# Altium PCB HYDRA_V4_POWER.PcbDoc (part 2 of 2)
Units mm, origin at the board's own origin, x right, y up, seen from the top; angles counter-clockwise.
Board outline 50.15 x 44.15 mm, 4 copper layers (Top Layer, GND+SIG, PWR+SIG, Bottom Layer), stack 1.586 mm thick; 220 components, 163 nets, 791 pads, 264 vias.
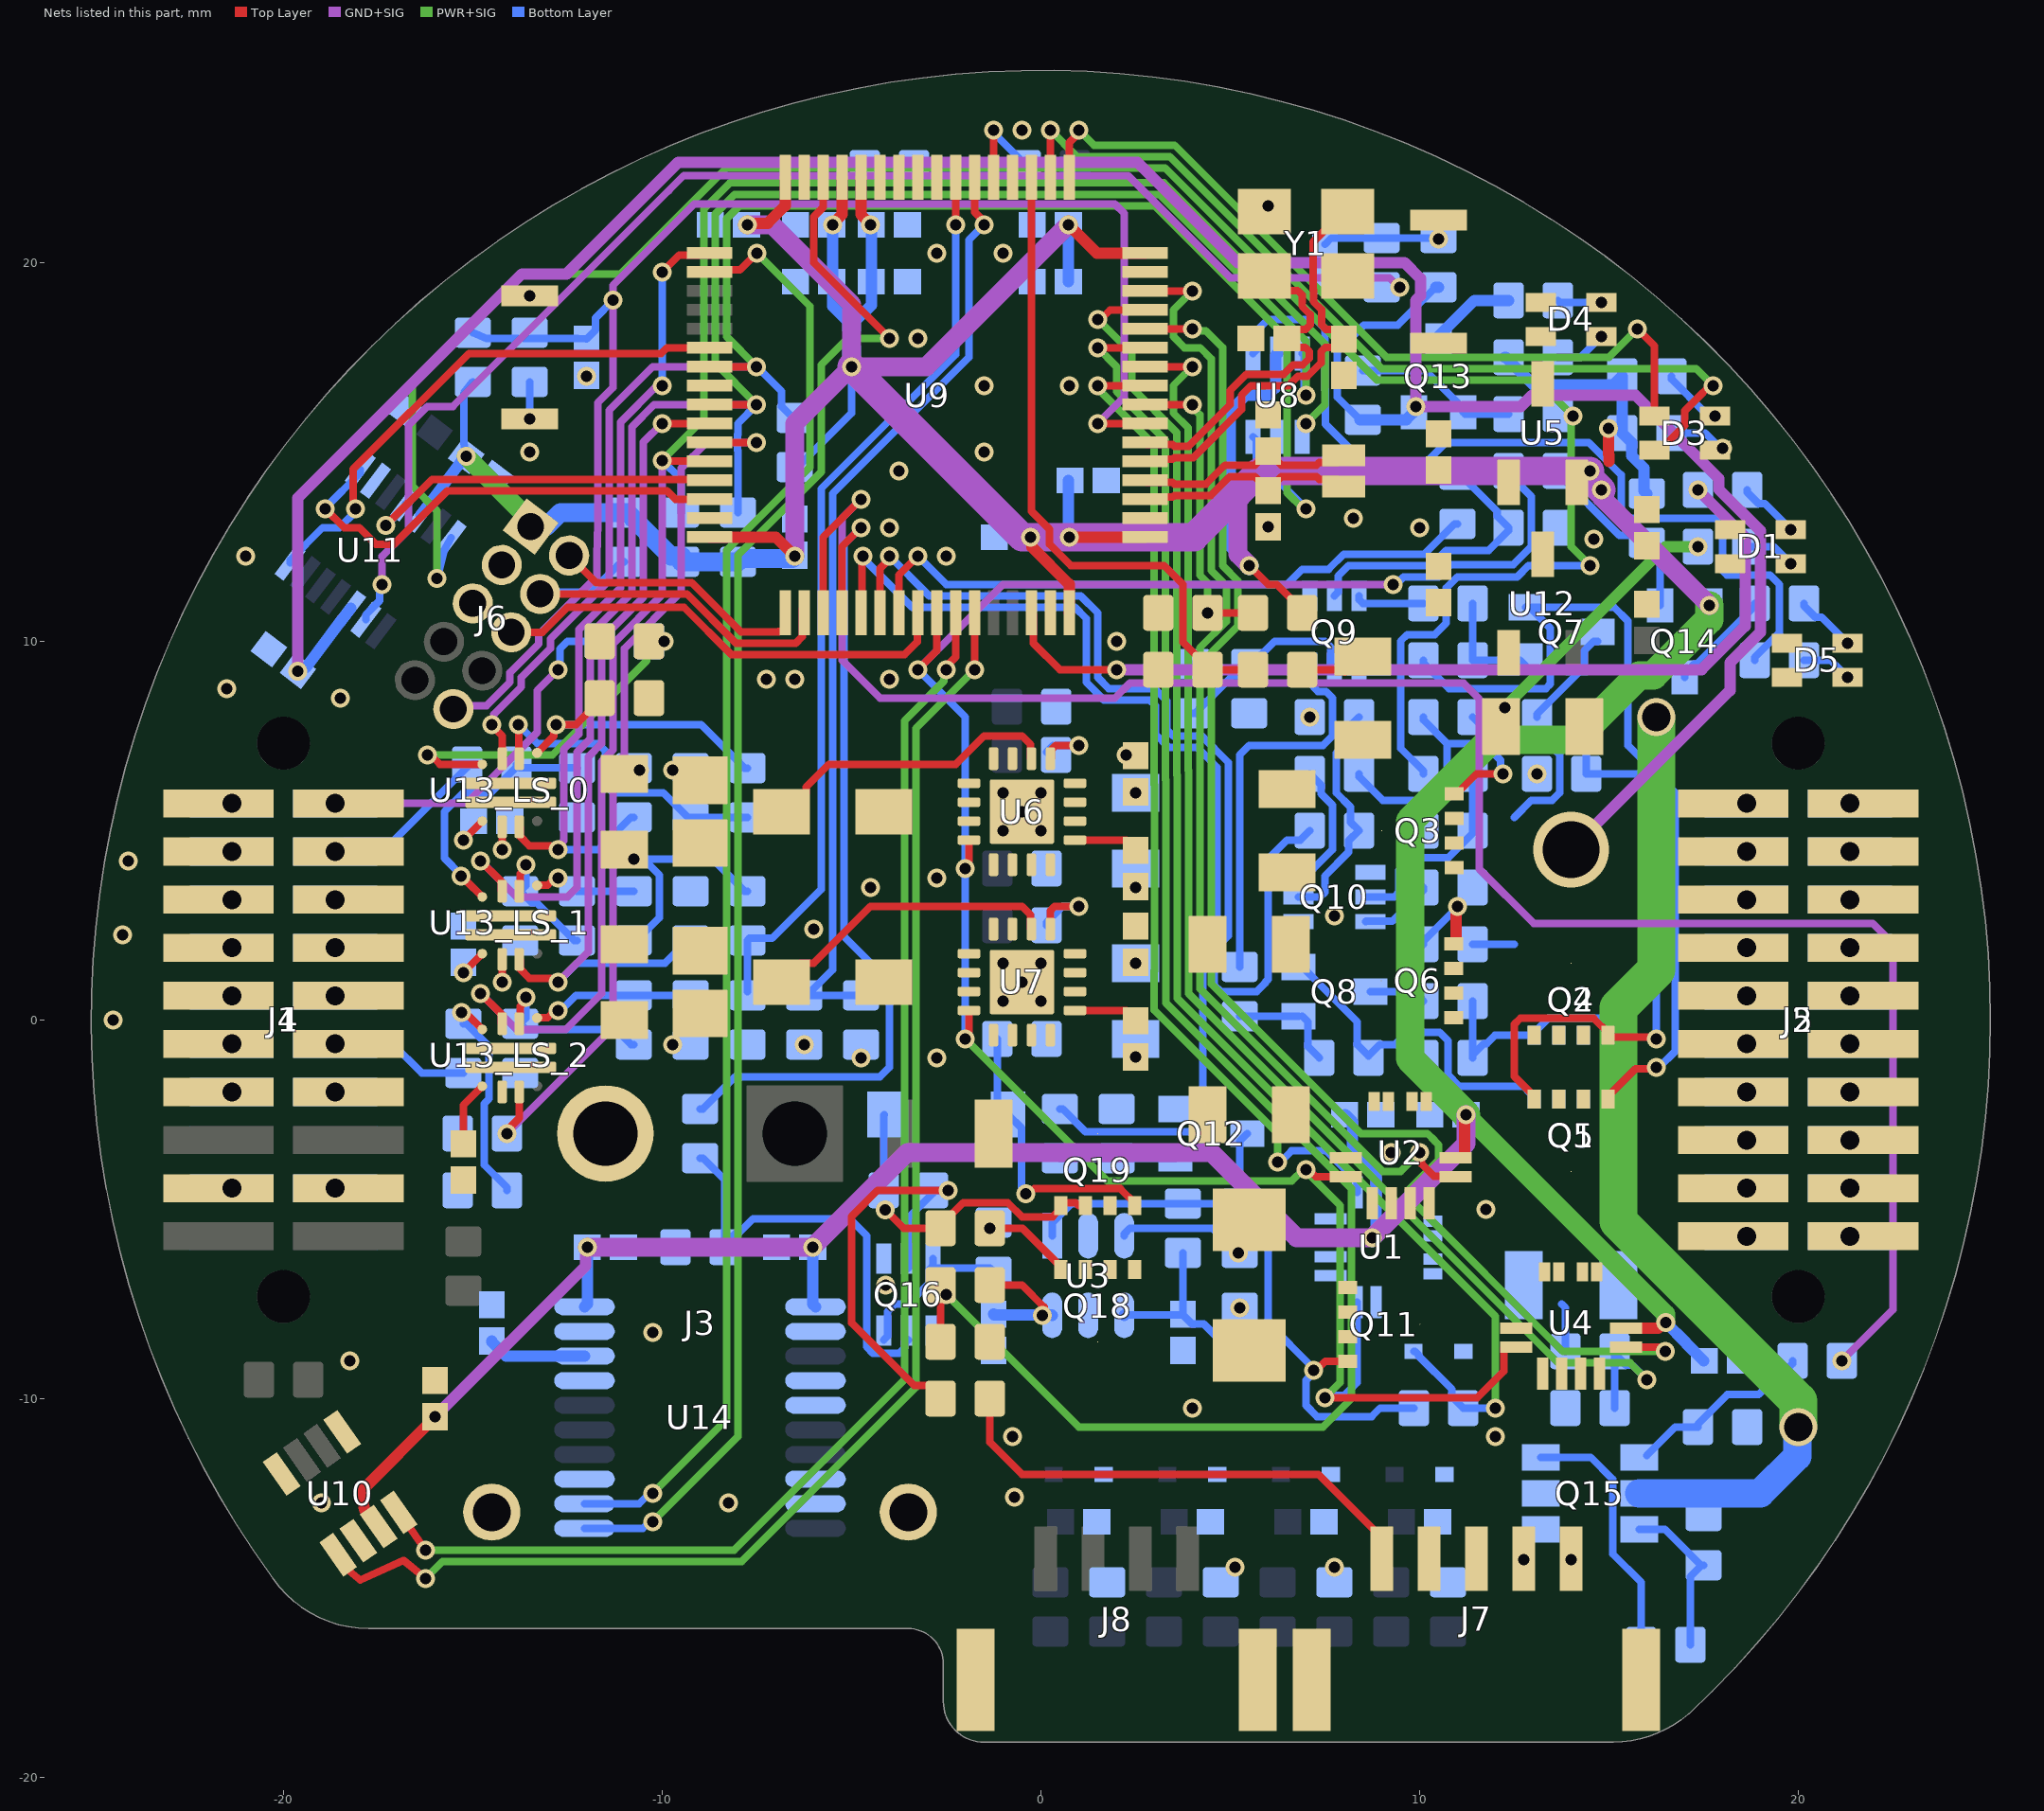
[diagram p4: the nets of this part, all layers, seen from the top]

## Via types
v1: diameter 0.5, hole 0.3, Top Layer to Bottom Layer, tented both sides, 221 vias
v2: diameter 0.7, hole 0.5, Top Layer to Bottom Layer, tented both sides, 40 vias
v3: diameter 1, hole 0.75, Top Layer to Bottom Layer, tented both sides, 2 vias
v4: diameter 2, hole 1.5, Top Layer to Bottom Layer, tented both sides, 1 vias

## Nets (pads, with @x,y where several pads share a name; then routed paths per layer and width w, separated by ;. In a path a pad name is that pad's centre, name@x,y a point inside that pad or via, vN(x,y) a via of type N, cw(c..) or ccw(c..) an arc to the next point about the centre after c; other vN are vias at no path point) (continued)
CUR_TRIP_RST: R33.2 U9.53 | length 28.4
  Top Layer w0.2: U9.53@-4.75,10.75 -4.724,10.776 -4.724,12.224 v1(-4.698,12.25)
  Bottom Layer w0.2: v1(-4.698,12.25) -4.698,12.198 -3.397,10.897 0.902,10.897 1.198,10.6 1.198,8.918 1.668,8.448 2.873,8.448 3.022,8.3 3.022,7.55 3.375,7.197 4.127,7.197 4.647,6.677 4.647,2.347 4.272,1.972 4.272,-2.811 4.131,-2.952 1.177,-2.952 0.575,-2.35 R33.2@0.5,-2.35
CUTOFF_MOSFET: Q11.4 Q12.3 R23.2 R25.2 R30.1 U3.1 | length 17.8
  Top Layer w0.2: v1(7.198,-9.25) 7.28,-9.25 7.517,-9.012 Q11.4@8.1,-9.012
  Bottom Layer w0.2: U3.1@0.3,-5.7 0.3,-5.362 0.812,-4.85 R30.1@3.75,-4.85 R25.2@5.25,-4.85 ; Q12.3@5.45,-3 5.25,-3.2 R25.2@5.25,-4.85 ; v1(7.198,-9.25) 7.198,-9.198 6,-8 6,-5.525 5.325,-4.85 R25.2@5.25,-4.85 ; v1@7.25,-9.25 7.25,-9.267 7,-9.517 7,-10.182 7.293,-10.475 8.734,-10.475 8.959,-10.25 R23.2@9.85,-10.25
EMAG_OUT: J7.4 J7.5 Q15.4
  other v1: 12.75,-14.25 14,-14.25
FORCE_ON: R56.2 U9.52 | length 22.8
  Top Layer w0.2: U9.52@-5.25,10.75 -5.25,12.5 v1(-4.75,13)
  Bottom Layer w0.2: R56.2@-9,-2.35 -8.925,-2.35 -8.075,-1.5 -4.25,-1.5 -4,-1.25 -4,1.002 -5.198,2.2 -5.198,12.552 v1(-4.75,13)
GND: C1.2 C2.2 C3.2 C4.2 C5.2 C6.2 C7.2 C8.2 C9.2 C10.2 C11.2 C12.1 C13.2 C14.2 C15.2 C16.2 C17.1 C19.2 C20.2 C21.2 C22.2 C23.2 C24.2 C25.2 C26.2 C27.2 C28.2 C29.2 C30.2 C31.2 C32.2 C33.2 C34.2 C35.2 C36.2 C37.2 C38.2 C39.2 C41.2 C42_LS_0.1 C42_LS_1.1 C42_LS_2.1 C46.2 C47.2 C48.2 C49.2 C50.2 C51.2 C52.2 C53.2 D1.1 D1.4 D4.1 D4.4 D5.1 D5.4 D6.2 D7.2 D8.2 D9.2 D10.2 J1.07 J1.08 J1.13 J1.14 J1.17 J1.18 J2.01 J2.02 J2.03 J2.04 J2.05 J2.06 J2.07 J2.08 J2.09 J2.10 J2.11 J2.12 J3.N J4.07 J4.08 J4.13 J4.14 J4.17 J4.18 J5.01 J5.02 J5.03 J5.04 J5.05 J5.06 J5.07 J5.08 J5.09 J5.10 J5.11 J5.12 J6.03 J6.05 J7.2 J7.3 J7.6 J7.7 J8.5 J8.6 Q9.1 Q9.4 Q10.1 Q10.4 Q12.2 Q15.5 Q16.1 Q16.4 R1.1 R2.2 R4.1 R6.2 R15.1 R19.1 R20.1 R22.1 R29.1 R31.1 R35.1 R39.1 R41.1 R45.1 R49.2 R51.1 R55.1 R57.2 R59.1 R64.2 R66.2 R72.2 R74.2 R99_LS_0.1 R99_LS_1.1 R99_LS_2.1 R100_LS_0.1 R100_LS_1.1 R100_LS_2.1 R101_LS_0.1 R101_LS_1.1 R101_LS_2.1 SW1.2 SW3.2 U1.5 U1.7 U1.8 U1.9 U1.10 U2.5 U2.7 U2.8 U2.9 U2.10 U3.2 U3.5 U4.5 U4.7 U4.8 U4.9 U4.10 U5.3 U6.5 U6.6 U6.7 U6.8 U6.15 U6.16 U6.17@-0.5,5.5 U7.5 U7.6 U7.7 U7.8 U7.15 U7.16 U7.17@-0.5,1 U8.2 U9.15 U9.27 U9.31 U9.47 U9.63 U10.2 U11.2 U12.3 U13_LS_0.8 U13_LS_1.8 U13_LS_2.8 U14.2 U14.4 U14.5 U14.8 U14.9 U14.19 Y1.2 Y1.4 | length 1.2
  Top Layer w0.2: U13_LS_1.8@-14.225,1.6 -14.222,1.597 -14.222,0.996 v1(-14.22,0.993) ; U13_LS_0.8@-14.225,5.1 -14.222,5.097 -14.222,4.496 v1(-14.22,4.493)
  other v1: 5.125,-14.45 7.75,-14.45 -19,-12.75 -8.25,-12.75 -0.7,-12.6 -0.75,-11 12,-11 4,-10.25 -18.25,-9 -10.25,-8.25 -4.1,-7 11.75,-5 9.25,-3.5 -4.75,-1 -2.75,-1 2.5,-0.979 -24.5,0 -1,0.5 0,0.5 -0.5,1 -1,1.5 0,1.5 -24.25,2.25 -6,2.4 7.75,2.75 -4.5,3.5 2.5,3.5 -2.75,3.75 -24.1,4.2 -1,5 0,5 -0.5,5.5 -1,6 0,6 13.1,6.5 -10.6,6.6 -9.725,6.6 2.25,7 7.1,8 -18.5,8.5 -21.5,8.75 -7.25,9 -6.5,9 -4,9 2,10 -21,12.25 -2.5,12.25 14.6,12.7 -4,13 10,13 6,13.021 8.25,13.25 -3.75,14.5 -13.5,15 -1.5,15 -1.5,16.75 0.75,16.75 -12,17 -3.25,18 -13.5,19.125 -2.75,20.25 -1,20.25 6,21.5 -0.5,23.5
  other v2: -21.365,-4.445 -18.635,-4.445 -21.365,-1.905 -18.635,-1.905 18.635,-0.635 21.365,-0.635 18.635,0.635 21.365,0.635 -21.365,1.905 -18.635,1.905 18.635,1.905 21.365,1.905 18.635,3.175 21.365,3.175 18.635,4.445 21.365,4.445 18.635,5.715 21.365,5.715
HYDRA_3V3: J1.09 J1.10 J1.11 J1.12 J4.09 J4.10 J4.11 J4.12 R97_LS_2.2 U13_LS_2.6 | length 3.7
  Bottom Layer w0.2: v2(-18.635,-0.635) -17.115,-0.635 -16.35,-1.4 R97_LS_2.2@-15.25,-1.4
  other v2: -21.365,-0.635 -21.365,0.635 -18.635,0.635
HYDRA_3V3_PG: R102_LS_2.1 U8.1 U9.44 U13_LS_2.3 | length 50.5
  Top Layer w0.2: v1(-14.8,0.7) -14.794,0.7 -14.25,0.156 -14.25,-0.075 U13_LS_2.3@-14.225,-0.1 ; v1(-9.995,14.774) -9.983,14.762 -8.762,14.762 U9.44@-8.75,14.75
  GND+SIG w0.2: v1(-14.8,0.7) -13.85,-0.25 -12.543,-0.25 -11.602,0.691 -11.602,6.825 -11.294,7.133 -11.294,9.933 -9.995,11.231 v1(-9.995,14.774)
  PWR+SIG w0.2: v1(-9.995,14.774) -9.995,14.779 -8.902,15.873 -8.902,21.409 -8.207,22.103 3.25,22.103 7.5,17.853 7.5,16.25 v1(7,15.75)
  Bottom Layer w0.2: v1(-9.995,14.774) -9.5,14.279 R102_LS_2.1@-9.5,13.4
HYDRA_5V: J1.03 J1.04 J1.05 J1.06 J4.03 J4.04 J4.05 J4.06 R97_LS_1.2 U13_LS_1.6 | length 4.5
  Bottom Layer w0.2: v2(-18.635,4.445) -18.365,4.715 -17.11,4.715 -15.15,6.675 R97_LS_1.2@-15.15,6.75
  other v2: -21.365,3.175 -18.635,3.175 -21.365,4.445
HYDRA_5V_PG: R102_LS_1.1 U8.6 U9.41 U13_LS_1.3 | length 50.2
  Top Layer w0.2: v1(-14.8,4.2) -14.794,4.2 -14.25,3.656 -14.25,3.425 U13_LS_1.3@-14.225,3.4 ; U9.41@-8.75,16.25 v1(-7.506,16.25)
  GND+SIG w0.2: v1(-14.8,4.2) -13.85,3.25 -12.5,3.25 -12.25,3.5 -12.25,7.073 -11.897,7.427 -11.897,10.183 -10.797,11.283 -10.797,15.66 -10.207,16.25 v1(-7.506,16.25)
  PWR+SIG w0.2: v1(-7.506,16.25) -8.6,17.344 -8.6,21.284 -8.082,21.802 3.125,21.802 7,17.927 v1(7,16.5)
  Bottom Layer w0.2: R102_LS_1.1@-8,13.4 -8,15.036 -8.006,15.043 -8.006,15.457 -8,15.464 -8,15.75 -7.506,16.244 v1(-7.506,16.25) ; U8.6@6.9,17.6 6.95,17.55 6.95,16.55 v1(7,16.5)
HYDRA_VCC: J1.01 J1.02 J4.01 J4.02 R97_LS_0.2 U13_LS_0.6 | length 9.7
  GND+SIG w0.2: v2(-18.635,5.715) -15.178,5.715 -13.3,7.593 -13.3,8.7 v1(-12.75,9.25)
  Bottom Layer w0.2: v1(-12.75,9.25) -12.7,9.3 -12.7,9.8 -12.5,10 R97_LS_0.2@-11.65,10
  other v2: -21.365,5.715
HYDRA_VCC_PG: R102_LS_0.1 U8.3 U9.39 U13_LS_0.3 | length 45.9
  Top Layer w0.2: v1(-14.5,7.8) -14.5,7.775 -14.225,7.5 U13_LS_0.3@-14.225,6.9 ; U9.39@-8.75,17.25 v1(-7.506,17.25)
  GND+SIG w0.2: v1(-14.5,7.8) -14.443,7.857 -14.443,8.068 -13.717,8.793 -13.717,9.043 -12.953,9.808 -12.953,10.058 -11.4,11.61 -11.4,16.1 -10.25,17.25 v1(-7.506,17.25)
  PWR+SIG w0.2: v1(-7.506,17.25) -8.298,18.042 -8.298,21.159 -7.96,21.497 -7.35,21.497 -7.349,21.498 -7.175,21.498 -7.173,21.5 3,21.5 6.5,18 6.5,13.919 6.919,13.5 v1(7,13.5)
  Bottom Layer w0.2: v1(-7.506,17.25) -7.5,17.25 -6.85,16.6 -6.85,16.2 -6.55,15.9 R102_LS_0.1@-6.5,15.9 ; U8.3@5.6,15.4 5.687,15.313 5.687,14.813 v1(7,13.5)
IMON_LS_0: R101_LS_0.2 U9.33 U13_LS_0.9 | length 21.7
  Top Layer w0.2: U13_LS_0.9@-13.775,5.1 -13.75,5.075 -13.75,4.844 -13.504,4.598 -12.93,4.598 -12.831,4.5 v1(-12.75,4.5) ; v1(-10,19.75) -9.552,20.198 -8.802,20.198 U9.33@-8.75,20.25
  GND+SIG w0.2: v1(-12.75,4.5) -12.75,4.581 -12.6,4.731 -12.6,7.15 -12.198,7.552 -12.198,10.308 -11.098,11.408 -11.098,15.785 -10.134,16.75 v1(-10,16.75)
  Bottom Layer w0.2: v1(-12.75,4.5) -11.675,4.5 -10.825,5.35 R101_LS_0.2@-10.75,5.35 ; v1(-10,16.75) v1(-10,19.75)
IMON_LS_1: R101_LS_1.2 U9.42 U13_LS_1.9 | length 22.5
  Top Layer w0.2: U13_LS_1.9@-13.775,1.6 -13.75,1.575 -13.75,1.344 -13.504,1.098 -12.93,1.098 -12.831,1 v1(-12.75,1) ; v1(-10,15.75) U9.42@-8.75,15.75
  GND+SIG w0.2: v1(-12.75,1) -11.948,1.802 -11.948,6.949 -11.595,7.302 -11.595,10.058 -10.495,11.158 -10.495,15.255 v1(-10,15.75)
  Bottom Layer w0.2: v1(-12.75,1) -12.252,1.498 -10.25,1.498 -10.248,1.5 -9.925,1.5 -9.325,2.1 R101_LS_1.2@-9.25,2.1
IMON_LS_2: R101_LS_2.2 U9.43 U13_LS_2.9 | length 24.2
  Top Layer w0.2: v1(-14.1,-3) -14.1,-2.919 -13.775,-2.594 U13_LS_2.9@-13.775,-1.9 ; U9.43@-8.75,15.25 v1(-7.506,15.25)
  GND+SIG w0.2: v1(-14.1,-3) -11.3,-0.2 -11.3,6.7 -10.992,7.008 -10.992,9.808 -9.495,11.305 -9.495,14.572 -8.817,15.25 v1(-7.506,15.25)
INT_3V3: C1.1 C2.1 C4.1 C7.1 C19.1 C20.1 C21.1 C22.1 C25.1 C26.1 C29.1 C32.1 C46.1 C51.1 C52.1 FB1.1 J6.01 Q14.2 R32.2 R38.2 R76.2 R83.2 R85.2 R87.2 R95.1 R102_LS_0.2 R102_LS_1.2 R102_LS_2.2 U1.12 U2.12 U4.12 U5.2 U8.5 U9.1 U9.16 U9.32 U9.48 U9.64 U10.3 U11.5 U14.1 U14.20 | length 169.5
  Top Layer w0.2: v1(5.5,12) 6,11.5 6.225,11.5 6.9,10.825 R38.2@6.9,10.75
  Top Layer w0.3: U10.3@-17.488,-13.378 -17.734,-13.132 cw(c-17.384,-12.782) -17.879,-12.782 -17.879,-12.379 -16,-10.5 v1(-16,-10.479) ; U9.48@-8.75,12.75 -7,12.75 v1(-6.5,12.25) ; v1(-7.75,20.997) -7.712,21.035 -7.215,21.035 -6.752,21.498 -6.752,22.248 U9.32@-6.75,22.25 ; v1(-0.271,12.75) -0.233,12.712 -0.233,12.483 0.748,11.502 0.748,10.752 U9.64@0.75,10.75 ; v1(0.729,21) 1.479,20.25 U9.16@2.75,20.25 ; v1(0.75,12.75) U9.1@2.75,12.75 ; U2.12@10.95,-3.648 11.19,-3.648 11.19,-2.538 v1(11.229,-2.5) ; v1(14.989,15.626) v1(14.989,15.626) 14.988,14.931 15,14.919 15,14.75 ; U4.12@15.45,-8.148 16.298,-8.148 16.446,-8 v1@16.5,-8
  GND+SIG w0.3: v1(-16,-10.479) -12.017,-6.495 -12.017,-6.038 v1(-11.979,-6)
  GND+SIG w0.5: v1(-11.979,-6) v1(-6.021,-6) -3.521,-3.5 4.5,-3.5 6.75,-5.75 v1(8.75,-5.75) 11.229,-3.271 v1(11.229,-2.5) ; v1(-7.75,20.997) -7.747,21 -7.1,21 -5,18.9 v1(-5,17.25) ; v1(-6.5,12.25) -6.5,15.75 v1(-5,17.25) ; v1(0.729,21) -3.021,17.25 v1(-5,17.25) ; 5.2,13.9 5.2,12.3 v1(5.5,12) ; v1(14.8,14) 14.8,13.8 v1(17.65,10.95)
  GND+SIG w0.75: v1(-5,17.25) -0.5,12.75 v1(-0.271,12.75) v1(0.75,12.75) 4.05,12.75 5.2,13.9 5.8,14.5 v1(14.5,14.5) ; v1@14.425,14.375 v1(14.8,14)
  PWR+SIG w0.5: v1(-15.175,14.884) -13.471,13.18 J6.01@-13.471,13.029 ; v1(11.229,-2.5) 16.5,-7.771 v1(16.5,-7.989)
  PWR+SIG w0.75: v1(11.229,-2.5) 9.75,-1.021 9.75,5.25 11.9,7.4 14.1,7.4 15.8,9.1 16.175,9.1 17.65,10.575 v1(17.65,10.95)
  Bottom Layer w0.2: v1(-15.175,14.884) -15.239,15.228 -15.239,16.55 R95.1@-15,16.85 ; R102_LS_0.2@-6.5,14.6 -6.425,14.6 -5,16.025 v1(-5,17.25)
  Bottom Layer w0.3: U11.5@-16.37,13.334 -16.164,13.603 -15.302,14.747 v1(-15.175,14.884) ; U14.20@-12.05,-7.575 -12.048,-7.575 -11.979,-7.506 v1(-11.979,-6) ; v1(-6.021,-6) -6.021,-7.506 -5.952,-7.575 U14.1@-5.95,-7.575 ; C25.1@0.729,14.25 0.729,12.771 v1(0.75,12.75) ; C19.1@0.729,19.5 v1(0.729,21) ; v1(5.5,12) 5,12.5 5,16.074 5.426,16.5 6,16.5 6.2,16.7 6.2,17.55 U8.5@6.25,17.6 ; C1.1@8.021,-2.5 8.043,-2.5 8.229,-2.686 8.229,-3.329 8.852,-3.952 U1.12@8.852,-4.55 8.852,-5.594 8.75,-5.696 v1(8.75,-5.75) ; R32.2@12.25,17.5 12.275,17.5 13.002,16.773 15.123,16.773 R87.2@15.35,17 R85.2@15.35,15.5 15.6,15.25 15.6,14.9 15.926,14.574 15.926,13.974 R76.2@16,13.9 ; v1(16.5,-7.989) 17.041,-8.531 17.041,-8.541 C4.1@17.5,-9
  Bottom Layer w0.5: J6.01@-13.471,13.029 -13.058,13.029 -12.686,13.4 R83.2@-11,13.4 -10.925,13.4 -10.775,13.25 -10.093,12.568 -9.775,12.25 -9.489,12.25 R102_LS_2.2@-9.454,12.215 ; R102_LS_2.2@-9.5,12.1 R102_LS_1.2@-8,12.1 -7.914,12.186 -6.564,12.186 v1(-6.5,12.25)
INT_PWR: F3.1 F4.2 F5.1 Q3.5-6-7-8 R67.2 | length 6.9
  PWR+SIG w0.3: v1(12.25,8.25) 16.5,12.5 v1(17.35,12.5)
INT_PWR_GATE: Q3.4 R3.2 R18.1 | length 8.5
  Top Layer w0.2: Q3.4@10.91,5.975 10.985,5.975 11.51,6.5 v1(12.2,6.5)
  Bottom Layer w0.2: R18.1@8.4,6.5 8.4,6.425 9.025,5.8 10.502,5.8 10.73,6.028 10.73,7.295 ; R3.2@10.1,8 10.1,7.925 10.73,7.295 ; v1(12.2,6.5) 12.143,6.557 12.143,6.859 11.706,7.295 10.73,7.295
M1_GATE: Q4.4 Q5.4 R4.2 R7.1 | length 16.3
  Top Layer w0.2: Q5.4@13.025,-2.09 13.025,-2.015 12.5,-1.49 12.5,-0.117 12.659,0.042 14.598,0.042 14.975,-0.335 Q4.4@14.975,-0.41 15.02,-0.455 16.205,-0.455 v1(16.25,-0.5)
  Bottom Layer w0.2: R7.1@14.4,8 R4.2@14.4,6.5 15.75,6.5 16.25,6 v1(16.25,-0.5)
M1_INH: R16.2 R68.2 U9.62 | length 26.6
  Top Layer w0.2: U9.62@-0.25,10.75 -0.198,10.698 -0.198,9.948 0.5,9.25 v1(2,9.25)
  GND+SIG w0.3: v1(2,9.25) 17.45,9.25 18.6,10.4 18.6,10.554 18.602,10.556 18.602,11.344 18.6,11.346 18.6,12.75 v1(17.35,14)
  Bottom Layer w0.2: v1(2,9.25) 3.85,9.25 R16.2@4,9.4
M1_PWR: Q5.5-6-7-8 U4.1 U4.2
M1_VCC: Q4.1 Q4.2 Q4.3 Q5.1 Q5.2 Q5.3 Q7.2 R13.2 | length 23.2
  Top Layer w0.2: Q5.1@14.975,-2.09 14.975,-2.015 15.05,-1.94 15.7,-1.29 16.21,-1.29 v1(16.25,-1.25)
  Bottom Layer w0.2: R13.2@10.1,9.5 10.1,9.425 10.775,8.75 13.334,8.75 13.452,8.867 13.452,10.348 12.9,10.9 Q7.2@12.8,10.9 15.135,10.9 15.5,10.535 15.5,7.25 16.75,6 16.75,-0.831 16.331,-1.25 v1(16.25,-1.25)
M2_GATE: Q1.4 Q2.4 R1.2 R8.1 | length 8.1
  Bottom Layer w0.2: R1.2@11.4,-1 R1.2@11.4,-0.925 ; R8.1@11.4,0.5 R1.2@11.4,-0.925 ; Q1.4@14.975,-2.09 14.975,-2.015 15.352,-1.638 15.352,-0.076 15.234,0.042 13.402,0.042 13.025,-0.335 Q2.4@13.025,-0.41 11.99,-0.41 11.775,-0.625 11.7,-0.625 R1.2@11.4,-0.925
M2_I_nFAULT: R75.2 U1.6 U2.6 U4.6 U6.4 U7.4 U9.57 | length 60.8
  Top Layer w0.2: v1(-3.25,9.25) -2.75,9.75 U9.57@-2.75,10.75 ; v1(-2,-0.5) -2,-0.419 -1.9,-0.319 U7.4@-1.9,0.25 ; v1(-2,4) -2,4.081 -1.9,4.181 U6.4@-1.9,4.75 ; v1(7,-3.96) 7.081,-3.96 7.269,-4.148 U2.6@8.05,-4.148 ; v1(7.5,-9.975) 11.525,-9.975 12.225,-9.275 12.225,-8.698 12.275,-8.648 U4.6@12.55,-8.648
  GND+SIG w0.2: v1(-3.25,9.25) -1,11.5 v1(9.3,11.5)
  PWR+SIG w0.2: v1(-2,-0.5) 1.75,-4.25 6.629,-4.25 6.919,-3.96 v1(7,-3.96) 7,-4 7.9,-4.9 7.9,-9.575 v1(7.5,-9.975)
  Bottom Layer w0.2: v1(-3.25,9.25) -2,8 v1(-2,-0.5) ; v1(7.5,-9.975) 7.557,-9.918 8.008,-9.918 8.352,-9.574 U1.6@8.352,-7.45 ; v1(9.3,11.5) 9.381,11.5 9.58,11.698 10.498,11.698 10.821,12.021 12.473,12.021 12.952,12.5 12.952,13.823 12.35,14.425 R75.2@12.35,14.5
M2_PRE: Q1.5-6-7-8 U1.1 U1.2
M2_PWR: F2.1 R54.2 U1.3 U1.4 | length 1.3
  Bottom Layer w0.2: 13.75,-7.5 13.85,-7.6 R54.2@13.85,-8.75
M2_VCC: Q1.1 Q1.2 Q1.3 Q2.1 Q2.2 Q2.3 Q8.2 R14.2 | length 9.2
  Bottom Layer w0.2: Q8.2@6.8,1.4 6.9,1.4 8.35,-0.05 8.35,-0.648 8.65,-0.948 8.95,-0.648 9.35,-0.648 9.675,-0.323 10.525,-0.323 10.75,-0.548 10.75,-1.452 11.048,-1.75 12.738,-1.75 12.928,-1.94 12.95,-1.94 13.025,-2.015 Q1.1@13.025,-2.09 ; Q8.2@6.8,1.65 Q8.2@6.9,1.65
M3_GATE: Q6.4 R5.2 R9.1 | length 2.4
  Top Layer w0.3: Q6.4@10.9,2.013 10.937,2.013 10.962,2.038 10.962,2.962 v1(11,3)
  Bottom Layer w0.2: R5.2@10.1,2 10.1,2.075 11,2.975 v1(11,3)
M3_I_SENSE: U2.11 U9.14 | length 30.4
  Top Layer w0.2: U9.14@2.75,19.25 v1(4,19.25) ; v1(10,-3.5) 10.057,-3.557 10.057,-3.807 10.374,-4.124 10.926,-4.124 U2.11@10.95,-4.148
  PWR+SIG w0.2: v1(4,19.25) 3.5,18.75 3.5,18.043 3.793,17.75 4.207,17.75 4.498,17.459 4.498,11.868 4.9,11.466 4.9,10.527 4.198,9.825 4.198,6.715 4.206,6.707 4.206,0.82 9.027,-4 9.5,-4 v1(10,-3.5)
M3_PRE: Q6.5-6-7-8 U2.1 U2.2
M3_PWR: F7.1 F8.1 U2.3 U2.4
MCU_G_LED: D3.1 U9.18 | length 24
  Top Layer w0.2: U9.18@0.25,22.25 v1(0.25,23.5) ; D3.1@16.2,15.05 16.35,15.05 17,15.7 17,16.085 17.325,16.41 17.329,16.41 17.669,16.75 v1(17.75,16.75)
  PWR+SIG w0.2: v1(0.25,23.5) 0.952,22.798 3.408,22.798 9.006,17.2 17.3,17.2 v1(17.75,16.75)
MCU_R_LED: D3.4 U9.17 | length 21.4
  Top Layer w0.2: U9.17@0.75,22.25 0.75,23.169 1,23.419 v1(1,23.5) ; v1(15.75,18.25) 16.2,17.8 D3.4@16.2,15.95
  PWR+SIG w0.2: v1(1,23.5) 1.4,23.1 3.533,23.1 9.131,17.502 15.002,17.502 v1(15.75,18.25)
NetC3_1: C3.1 R27.1 R30.2 U3.4 | length 5.1
  Bottom Layer w0.2: U3.4@2.215,-7.786 C3.1@3.735,-7.786 ; R30.2@3.75,-6.15 C3.1@3.75,-7.771 3.75,-7.793 3.986,-8.029 4.304,-8.029 5.175,-8.9 R27.1@5.25,-8.9
  Bottom Layer w0.3: U3.4@2.2,-7.8 U3.4@2.215,-7.786
NetC6_1: C6.1 C38.1 F5.2 R40.2 U5.1 U12.1 | length 1.8
  Top Layer w0.2: R40.2@6.9,9.25 7.956,9.25 8.023,9.183 8.023,9.2 8.423,9.6 F5.2@8.5,9.6
NetC8_1: C8.1 C9.1 L1.2 R42.2 R96_LS_1.2 U6.14 U13_LS_1.5 | length 14.2
  Top Layer w0.2: L1.2@-6.85,5.5 -6.7,5.5 -6.2,6 -6.2,6.15 -5.6,6.75 -2.25,6.75 -1.5,7.5 -0.5,7.5 -0.275,7.275 -0.275,6.925 U6.14@-0.25,6.9
  Bottom Layer w0.2: R96_LS_1.2@-10.75,2.1 -10.675,2.1 -10.073,2.702 -10.073,3.825 -10.441,4.193 -10.693,4.193 v1(-10.75,4.25) -8.675,4.25 -7.825,3.4 R42.2@-7.75,3.4
NetC10_1: C10.1 C11.1 F7.2 U6.10 U6.11 U6.12
  other v1: 2.5,6
NetC12_2: C12.2 U6.9 | length 1.7
  Top Layer w0.2: U6.9@0.9,4.75 2.25,4.75 2.5,4.5 C12.2@2.5,4.479
NetC13_1: C13.1 C14.1 L2.2 R48.2 R96_LS_2.2 U7.14 U13_LS_2.5 | length 7.9
  Top Layer w0.2: L2.2@-6.85,1 -6.35,1.5 -6,1.5 -4.5,3 -0.5,3 -0.275,2.775 -0.275,2.425 U7.14@-0.25,2.4
  other v1: -9.725,-0.65 -6.25,-0.65
NetC15_1: C15.1 C16.1 F8.2 U7.10 U7.11 U7.12
  other v1: 2.5,1.5
NetC17_2: C17.2 U7.9 | length 1.7
  Top Layer w0.2: U7.9@0.9,0.25 2.25,0.25 2.5,0 C17.2@2.5,-0.021
NetC33_1: C33.1 R88.1 R89.1 SW1.1 | length 3.1
  Bottom Layer w0.2: C33.1@7.5,20.479 7.671,20.65 R88.1@10.5,20.65 v1(10.5,20.625)
NetC42_LS_0_2: C42_LS_0.2 U13_LS_0.7 | length 0.7
  Top Layer w0.2: v1(-15.25,4.75) U13_LS_0.7@-14.75,5.25
NetC42_LS_1_2: C42_LS_1.2 U13_LS_1.7 | length 0.7
  Top Layer w0.2: v1(-15.25,1.25) U13_LS_1.7@-14.75,1.75
NetC42_LS_2_2: C42_LS_2.2 U13_LS_2.7 | length 1.7
  Top Layer w0.2: C42_LS_2.2@-15.25,-3.271 -15.25,-2.25 U13_LS_2.7@-14.75,-1.75
NetC53_1: C53.1 U14.18 | length 2.6
  Bottom Layer w0.3: C53.1@-14.5,-8.479 -14.5,-8.5 -14.125,-8.875 U14.18@-12.05,-8.875
NetD1_2: D1.2 R67.1 | length 1.3
  Bottom Layer w0.2: R67.1@18.65,12.5 19.35,12.5 v1(19.8,12.05)
NetD1_3: D1.3 R68.1 | length 1.6
  Bottom Layer w0.2: R68.1@18.65,14 18.65,13.93 18.95,13.63 19.12,13.63 v1(19.8,12.95)
NetD2_1: D2.1 Q18.1 Q18.2 Q18.3 Q19.1 Q19.2 Q19.3 R58.1 R61.1 | length 8
  Top Layer w0.2: v1(-4.114,-5.011) -3.625,-5.5 R58.1@-2.65,-5.5 -2.65,-5.425 -2.048,-4.823 -0.877,-4.823 -0.5,-5.2 0.31,-5.2 0.525,-4.985 Q19.1@0.525,-4.91 ; Q19.1@0.525,-4.823 0.913,-4.823 1,-4.91
  Bottom Layer w0.2: R61.1@-4.15,-4.5 -4.15,-2.515 D2.1@-4.135,-2.5
NetD2_2: D2.2 Q19.4 R59.2 | length 7.3
  Top Layer w0.2: -0.177,-4.458 2.098,-4.458 2.475,-4.835 Q19.4@2.475,-4.91
  Bottom Layer w0.2: R59.2@-1.15,-0.5 -1.15,-2.215 D2.2@-0.865,-2.5 -0.51,-2.855 -0.51,-4.409 -0.396,-4.522 v1(-0.396,-4.596)
NetD3_2: D3.2 R85.1 | length 1.5
  Bottom Layer w0.2: R85.1@16.65,15.5 17.543,15.5 17.943,15.1 v1(18,15.1)
NetD3_3: D3.3 R87.1 | length 1.6
  Bottom Layer w0.2: R87.1@16.65,17 16.65,16.925 17.568,16.007 17.743,16.007 v1(17.8,15.95)
NetD4_2: D4.2 R32.1 | length 1.4
  Bottom Layer w0.2: R32.1@13.65,17.5 14.25,17.5 v1(14.8,18.05)
NetD4_3: D4.3 R34.1 | length 1.2
  Bottom Layer w0.2: R34.1@13.65,19 13.7,18.95 v1(14.8,18.95)
NetD5_2: D5.2 R69.1 | length 1.3
  Bottom Layer w0.2: R69.1@20.15,9.5 20.85,9.5 v1(21.3,9.05)
NetD5_3: D5.3 R70.1 | length 1.6
  Bottom Layer w0.2: R70.1@20.15,11 20.15,10.93 20.45,10.63 20.62,10.63 v1(21.3,9.95)
NetD6_1: D6.1 R23.1 U9.13 | length 37.4
  Top Layer w0.2: v1(1.5,18.5) 1.581,18.5 1.831,18.75 U9.13@2.75,18.75
  PWR+SIG w0.2: v1(1.5,18.5) 2.4,17.6 2.4,16.7 3.594,15.506 3.594,6.467 3.603,6.457 3.603,0.57 12,-7.827 v1(12,-10.25)
  Bottom Layer w0.2: D6.1@9.85,-8.75 9.88,-8.75 9.98,-8.85 9.98,-8.88 10.85,-9.75 10.85,-9.95 R23.1@11.15,-10.25 v1(12,-10.25)
NetF1_2: F1.2 Q19.5-6-7-8
NetF3_2: F3.2 R96_LS_0.2 U13_LS_0.5
NetF4_1: F4.1 Q15.2 R43.2 | length 26.5
  PWR+SIG w1: v3(16.25,8) 16.25,1.317 15.25,0.317 15.25,-5.317 20,-10.067 v3(20,-10.75)
  Bottom Layer w0.75: Q15.2@15.8,-12.5 19,-12.5 19.976,-11.524 19.976,-10.774 v3(20,-10.75)
NetL1_1: L1.1 U6.1 U6.2 U6.3
NetL2_1: L2.1 U7.1 U7.2 U7.3
NetQ7_1: Q7.1 R10.1 R13.1 | length 3
  Bottom Layer w0.2: R10.1@11.4,11 R13.1@11.4,9.5 12.65,9.5 Q7.1@12.8,9.35
NetQ7_3: Q7.3 R7.2 | length 2.7
  Bottom Layer w0.2: R7.2@13.1,8 13.1,8.075 14.35,9.325 14.35,9.75 14.6,10 Q7.3@14.7,10
NetQ8_1: Q8.1 R11.1 R14.1 | length 2.8
  Bottom Layer w0.2: R11.1@5.25,0.1 Q8.1@6.8,0.1 ; Q8.1@6.9,0.1 7.05,-0.05 7.05,-0.7 R14.1@7.35,-1
NetQ8_3: Q8.3 R8.2 | length 1.5
  Bottom Layer w0.2: Q8.3@8.7,0.75 9.85,0.75 R8.2@10.1,0.5
NetQ9_2: Q9.2 R17.1 R20.2 | length 7.6
  Bottom Layer w0.2: Q9.2@7.75,11.2 7.85,11.3 7.85,11.725 8.125,12 10.3,12 10.7,12.4 11.825,12.4 12.35,12.925 R20.2@12.35,13 12.05,13.3 12.05,13.425 11.075,14.4 R17.1@11,14.4
NetQ9_3: Q9.3 R10.2 | length 1.8
  Bottom Layer w0.2: Q9.3@8.4,11.2 8.4,11.1 8.5,11 R10.2@10.1,11
NetQ9_5: Q9.5 R16.1 R19.2 | length 5.1
  Bottom Layer w0.2: R16.1@4,8.1 4.075,8.1 5.075,9.1 5.2,9.1 R19.2@5.5,9.4 5.575,9.4 6.175,10 7.5,10 7.65,9.85 7.65,9.4 Q9.5@7.75,9.3